# KiCad board FrontEnd_5G.kicad_pcb (continued)
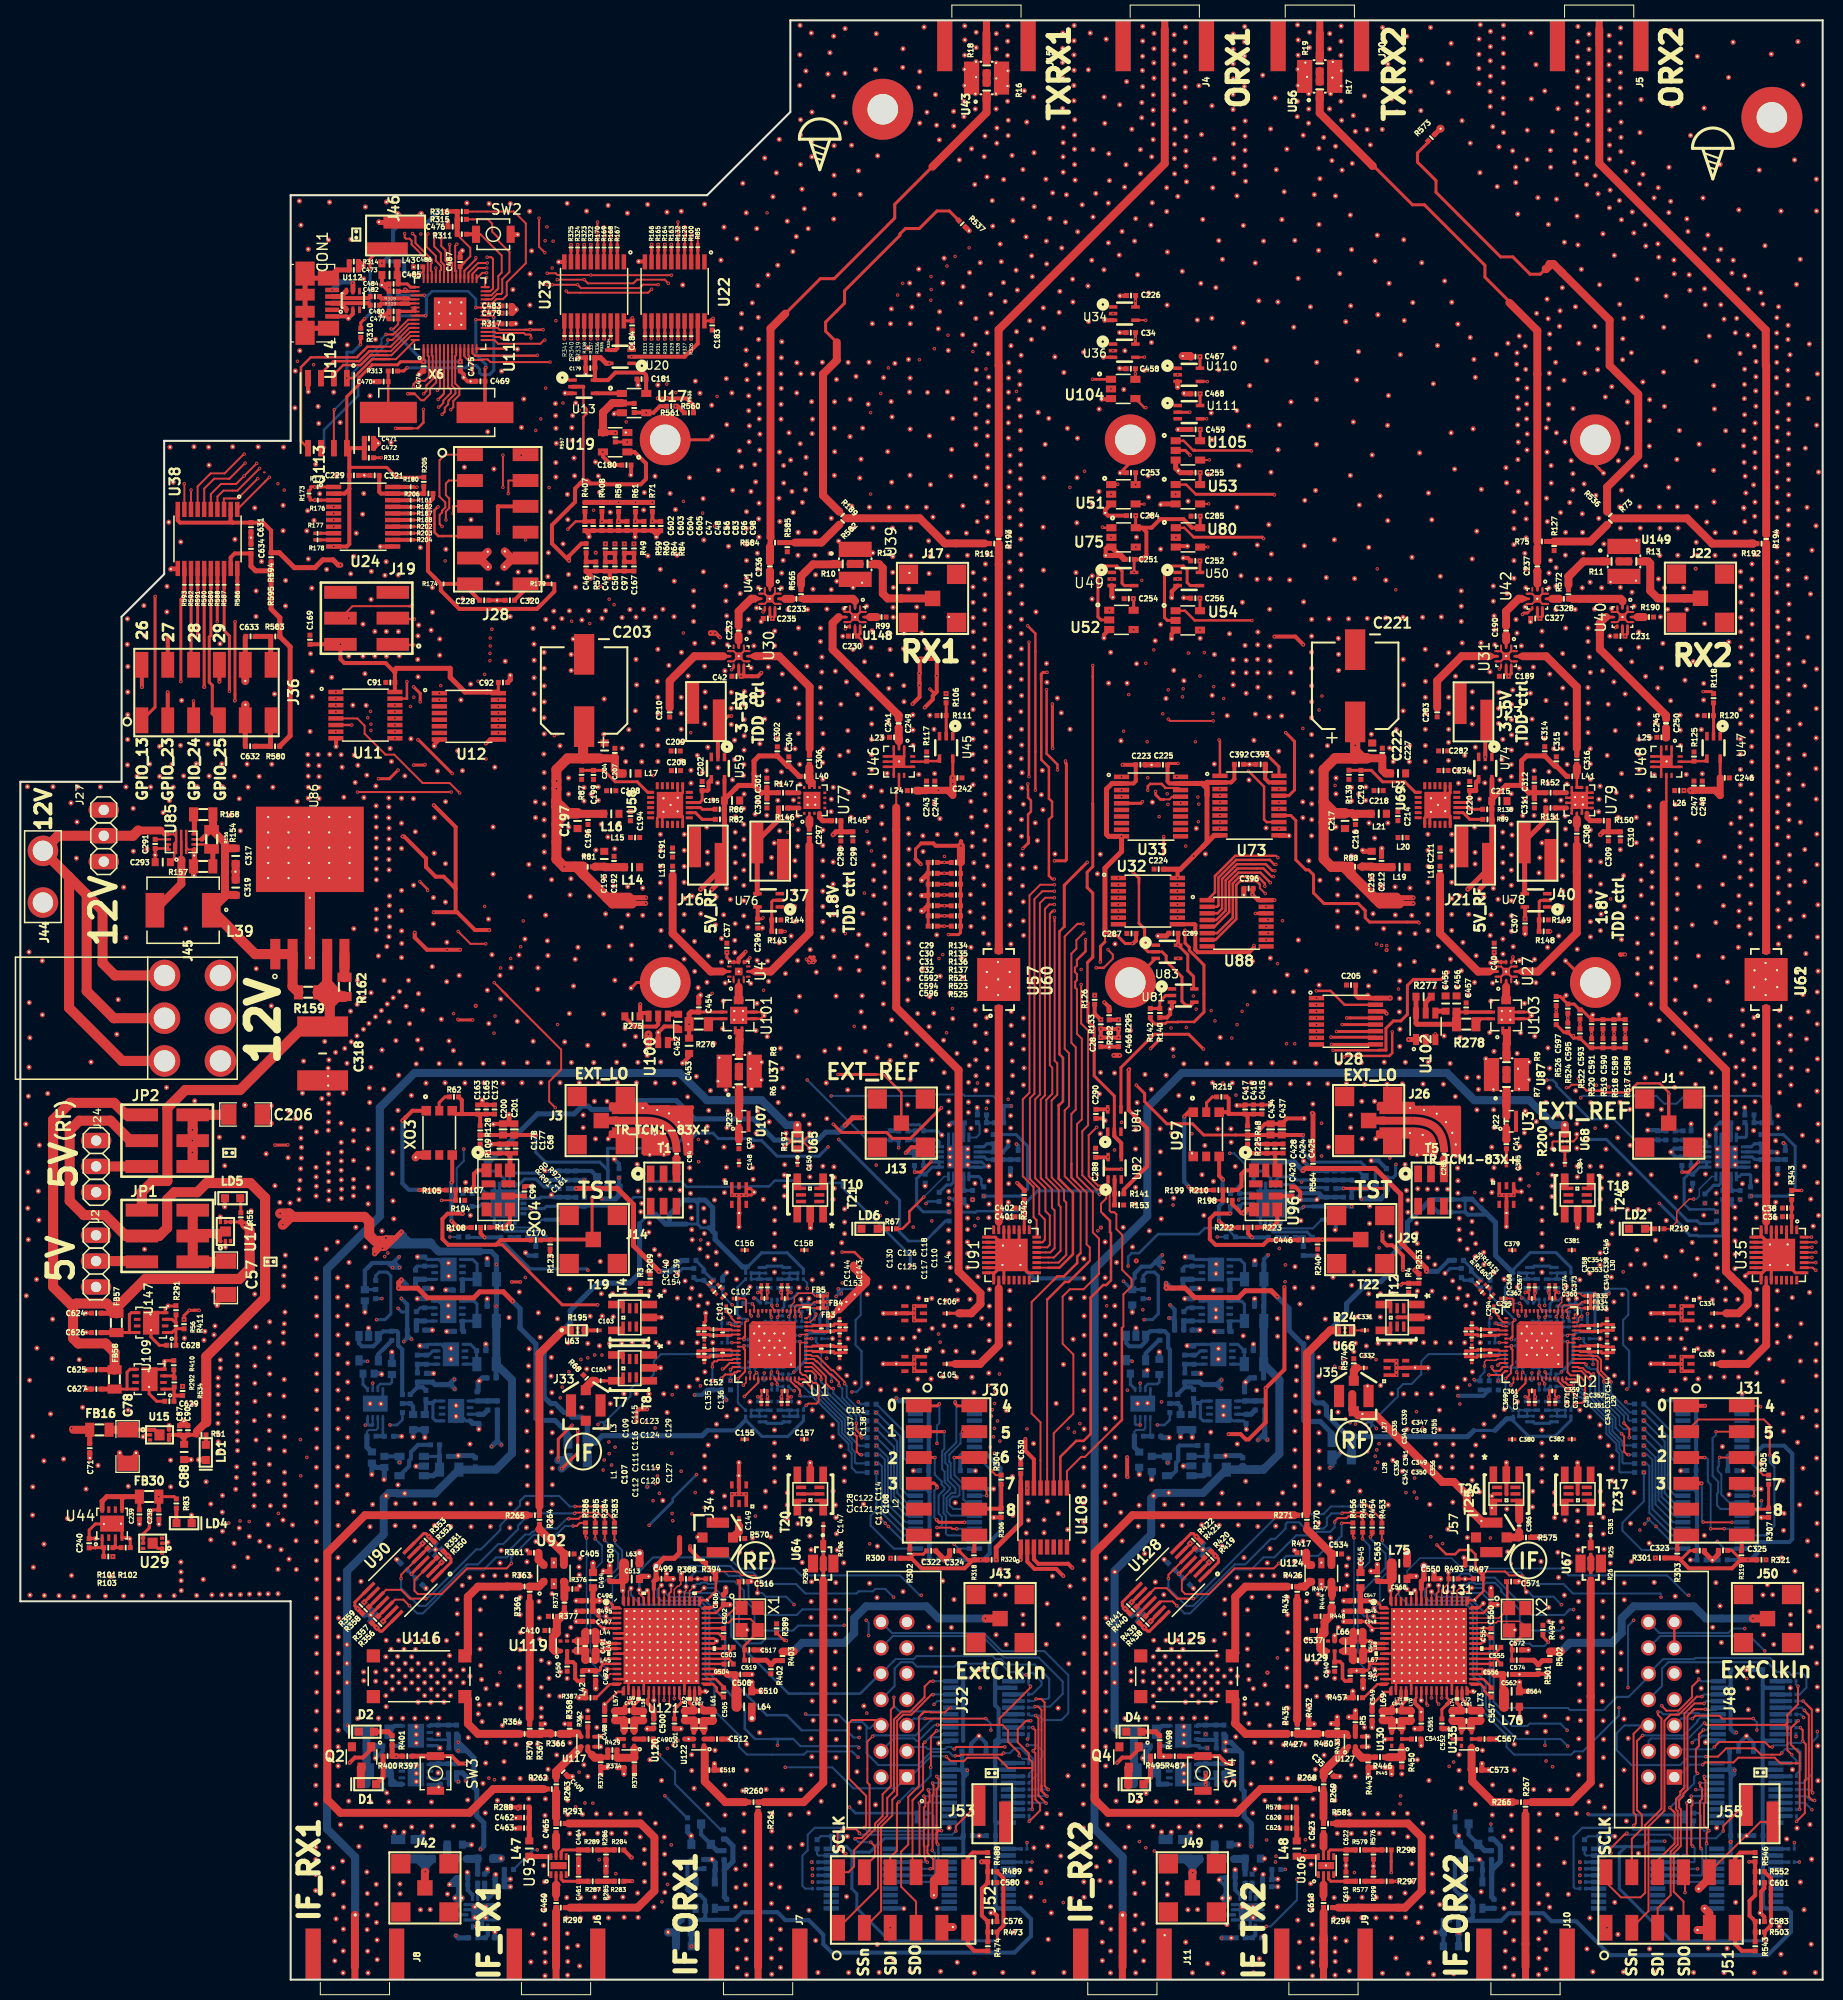
[diagram p0: board, top side]
## Placement (name value [footprint] x y rotation side) (continued)
R74  51R_0402  [SMD0402]  97.33 80.15 90 bottom
R75  0R_0402_NF  [SMD0402]  149.57 141.36 180 top
R76  47R_0402  [SMD0402]  93.61 77.12 270 bottom
R77  47R_0402  [SMD0402]  91.92 77.12 270 bottom
R78  47R_0402  [SMD0402]  90.33 76.94 270 bottom
R79  51R_0402  [SMD0402]  94.53 85 180 bottom
R80  0R_0402_NF  [SMD0402]  43.55 73 180 bottom
R81  27R_0402_ERJ2RKD27R0X  [SMD0402]  55.77 109.38 180 top
R82  1.2K_0402_AC0402JR-071K2L  [SMD0402]  68.77 114.05 0 top
R83  680R_0402  [SMD0402]  15.34 46.81 270 top
R84  20K_0402_CRCW040220K0FKEDC  [SMD0402]  60.32 140.67 90 top
R85  0R_0402  [SMD0201]  66.59 170.28 90 top
R86  390R_0402_RC0402JR-07390RL  [SMD0402]  68.75 115.04 0 top
R87  0RNF_0402  [SMD0402]  55.17 118.42 90 top
R88  27R_0402_ERJ2RKD27R0X  [SMD0402]  131.21 109.39 180 top
R89  1.2K_0402_AC0402JR-071K2L  [SMD0402]  144.22 114.05 0 top
R90  0R_0201_NF  [SMD0201]  67.85 68.5 45 top
R91  0R_0201  [SMD0201]  68.23 67.58 135 top
R92  0R_0201  [SMD0201]  68.76 68.12 135 top
R93  0R_0805  [SMD0805]  54.77 52.88 180 bottom
R94  0R_0201_NF  [SMD0201]  71.57 68.85 180 bottom
R95  0R_0201_NF  [SMD0201]  71.57 55.97 180 bottom
R96  0R_0201_NF  [SMD0201]  76.7 55.97 0 bottom
R97  0R_0201_NF  [SMD0201]  76.7 68.86 0 bottom
R98  0R_0805  [SMD0805]  54.79 51.06 180 bottom
R99  49.9R_0402_ERJ-U02F49R9X  [SMD0402]  84.66 133.93 180 top
R100  0R_0402  [SMD0201]  65.95 170.28 90 top
R101  110K_0402  [SMD0402]  8.65 42.47 0 top
R102  40K_0402_ERJ-U02F4022X  [SMD0402]  10.35 42.47 180 top
R103  0R_0402  [SMD0402]  8.65 41.59 0 top
R104  0R_0402_NF  [SMD0402]  43.23 76.6 180 top
R105  0R_0402_NF  [SMD0402]  42.33 77.61 180 top
R106  10K_0402  [SMD0402]  91 125.96 270 top
R107  0R_0402  [SMD0402]  43.23 77.61 0 top
R108  0R_0402_NF  [SMD0402]  44.79 73.93 0 top
R109  0R_0402  [SMD0402]  45.2 82.57 90 top
R110  0R_0402  [SMD0402]  45.69 73.94 180 top
R111  10K_0402  [SMD0402]  90.56 124.25 0 top
R112  33R2_0402  [SMD0402]  49.43 72.95 180 bottom
R113  49R9_0402  [SMD0402]  50.68 71.62 270 bottom
R114  4K99_0402_NF  [SMD0402]  53.42 74.7 0 bottom
R115  0R_0402  [SMD0402]  55.43 76.45 90 bottom
R116  0R_0402  [SMD0402]  55.44 78.14 270 bottom
R117  3.92K_0402_CRCW04023K92FKEDC  [SMD0402]  89.09 120.22 270 top
R118  10K_0402  [SMD0402]  166.44 125.96 270 top
R119  39R_0402  [SMD0402]  43.96 76 180 bottom
R120  10K_0402  [SMD0402]  166 124.25 0 top
R121  39R_0402  [SMD0402]  43.97 77.29 0 bottom
R122  39R_0402  [SMD0402]  53.42 77.76 180 bottom
R123  49R9_0402_NF  [SMD0402]  52.08 72.26 270 top
R124  49R9_0402  [SMD0402]  68.57 68.75 0 bottom
R125  3.92K_0402_CRCW04023K92FKEDC  [SMD0402]  164.53 120.22 270 top
R126  0R_0402  [SMD0402]  105.61 96.31 90 top
R127  0R_0402_NF  [SMD0402]  150.77 140.91 90 top
R128  0R_0402  [SMD0402]  45.2 83.47 90 top
R129  0R_0402  [SMD0201]  65.3 170.28 90 top
R130  0R_0201  [SMD0201]  145.66 61.49 180 bottom
R131  10K_0402  [SMD0402]  146.57 66.93 90 bottom
R132  0R_0402  [SMD0201]  64.65 170.28 90 top
R133  10K_0402  [SMD0402]  106.21 93.9 270 top
R134  10K_0402  [SMD0402]  91.97 109.81 0 top
R135  10K_0402  [SMD0402]  91.97 108.74 0 top
R136  10K_0402  [SMD0402]  91.97 107.67 0 top
R137  10K_0402  [SMD0402]  91.97 106.61 0 top
R138  390R_0402_RC0402JR-07390RL  [SMD0402]  144.19 115.03 0 top
R139  0RNF_0402  [SMD0402]  130.61 118.43 90 top
R140  10K_0402  [SMD0402]  111.08 95.01 90 top
R141  10K_0402  [SMD0402]  108.02 77.24 180 top
R142  10K_0402  [SMD0402]  112.01 95.01 90 top
R143  20K_0402_CRCW040220K0FKEDC  [SMD0402]  74.31 103.04 0 top
R144  10K_0402  [SMD0402]  74.31 104.16 180 top
R145  8.2_0402_CRCW04028R20FKED  [SMD0402]  80.21 113.91 180 top
R146  0R_0402_RC0402JR-070RL  [SMD0402]  74.97 115.16 180 top
R147  51_0402_CRCW040251R0FKEDC  [SMD0402]  74.98 116.66 180 top
R148  20K_0402_CRCW040220K0FKEDC  [SMD0402]  149.75 103.03 0 top
R149  10K_0402  [SMD0402]  149.75 104.17 180 top
R150  8.2_0402_CRCW04028R20FKED  [SMD0402]  155.66 113.92 180 top
R151  0R_0402_RC0402JR-070RL  [SMD0402]  150.42 115.17 180 top
R152  51_0402_CRCW040251R0FKEDC  [SMD0402]  150.43 116.67 180 top
R153  10K_0402  [SMD0402]  108.01 76.14 180 top
R154  976K_0805_ERJ-6ENF9763V  [SMD0805]  18.8 112.09 90 top
R155  0R_0201_NF  [SMD0201]  143.29 68.5 45 top
R156  NF_619K_0805_ERJ-6ENF6193V  [SMD0805]  18.8 112.09 90 top
R157  100k_0805  [SMD0805]  17.97 109.43 0 top
R158  100k_0805  [SMD0805]  17.98 114.53 0 top
R159  NF_0R_0805_RC0805FR-130RL  [SMD0805]  28.29 97.04 180 top
R160  0R_0201  [SMD0201]  143.68 67.58 135 top
R161  0R_0201  [SMD0201]  144.21 68.12 135 top
R162  100k_0805  [SMD0805]  31.86 97.58 270 top
R163  0R_0402  [SMD0201]  64 170.28 90 top
R164  0R_0402  [SMD0201]  63.35 170.28 90 top
R165  0R_0402  [SMD0201]  62.7 170.28 90 top
R166  0R_0402  [SMD0201]  62.05 170.28 90 top
R167  0R_0402  [SMD0201]  58.68 170.25 90 top
R168  0R_0402  [SMD0201]  58.03 170.25 90 top
R169  0R_0402  [SMD0201]  57.38 170.25 90 top
R170  0R_0402  [SMD0201]  56.73 170.25 90 top
R171  0R_0402  [SMD0402]  142.64 69.2 90 bottom
R172  49R9_0402  [SMD0402]  144.02 68.75 0 bottom
R173  0R_0201_NF  [SMD0201]  28.37 146.07 90 top
R174  0R_0402  [SMD0201]  41.61 137.19 180 top
R175  0R_0402  [SMD0201]  29.23 146.72 0 top
R176  0R_0402  [SMD0201]  29.24 145.42 0 top
R177  NF_0R_0402_RCS04020000Z0ED  [SMD0201]  29.21 142.16 0 top
R178  NF_0R_0402_RCS04020000Z0ED  [SMD0201]  29.21 141.52 0 top
R179  0R_0402  [SMD0201]  52.22 137.19 180 top
R180  0R_0402  [SMD0201]  38.37 146.72 0 top
R181  0R_0402  [SMD0201]  38.37 145.41 0 top
R182  0R_0402  [SMD0201]  38.38 144.76 0 top
R183  0R_0201_NF  [SMD0201]  147.01 68.85 180 bottom
R184  0R_0201_NF  [SMD0201]  147.02 55.97 180 bottom
R185  0R_0201_NF  [SMD0201]  152.15 55.97 0 bottom
R186  0R_0201_NF  [SMD0201]  152.15 68.86 0 bottom
R187  0R_0402  [SMD0201]  38.38 144.12 0 top
R188  0R_0402  [SMD0201]  38.38 143.47 0 top
R189  0R_0402_NF  [SMD0402]  80.83 143.96 135 top
R190  49.9R_0402_ERJ-U02F49R9X  [SMD0402]  160.1 133.93 180 top
R191  0RNF_0402  [SMD0402]  95.73 141.15 180 top
R192  0RNF_0402  [SMD0402]  171.16 141.15 180 top
R193  0R_0402  [SMD0402]  96.18 141.6 270 top
R194  0R_0402  [SMD0402]  171.62 141.6 270 top
R195  NF_0R_0603_RCS06030000Z0EA  [SMD0603#2]  54.78 63.8 180 top
R196  0R_0201_NF  [SMD0201]  78.93 42.08 90 top
R197  NF_0R_0603_RCS06030000Z0EA  [SMD0603#2]  76.39 82.39 270 top
R198  0R_0402_NF  [SMD0402]  118.67 76.6 180 top
R199  0R_0402_NF  [SMD0402]  117.77 77.61 180 top
R200  NF_0R_0603_RCS06030000Z0EA  [SMD0603#2]  151.83 82.39 270 top
R201  0R_0402  [SMD0402]  91.3 75.02 90 bottom
R202  0R_0402  [SMD0201]  38.38 142.82 0 top
R203  0R_0402  [SMD0201]  38.38 142.17 0 top
R204  0R_0402  [SMD0201]  38.38 141.52 0 top
R205  0RNF_0402  [SMD0402]  39.66 147.22 270 top
R206  0R_0402  [SMD0402]  40.11 146.07 180 top
R207  10K_0402  [SMD0402]  68.91 58.42 270 bottom
R208  10K_0402  [SMD0402]  69.81 58.43 90 bottom
R209  10K_0402  [SMD0402]  61.91 68.9 90 top
R210  0R_0402_NF  [SMD0402]  118.67 77.61 0 top
R211  10K_0402  [SMD0402]  68.03 58.42 270 bottom
R212  330R_0402  [SMD0402]  83.67 56.56 180 bottom
R213  330R_0402  [SMD0402]  83.67 55.74 180 bottom
R214  330R_0402  [SMD0402]  83.67 54.92 180 bottom
R215  0R_0402_NF  [SMD0402]  118.06 86.77 180 top
R216  0R_0402_NF  [SMD0402]  162.21 82.53 180 bottom
R217  NF_5K1_0402  [SMD0402]  162.23 83.42 180 bottom
R218  NF_10R_0402  [SMD0402]  163.78 80.02 0 bottom
R219  NF_470R_0402  [SMD0402]  161.12 73.8 180 top
R220  NF_1k_0402  [SMD0402]  170.07 77.47 90 bottom
R221  NF_10K_0402  [SMD0402]  163.78 81.69 0 bottom
R222  0R_0402_NF  [SMD0402]  120.23 73.93 0 top
R223  0R_0402_NF  [SMD0402]  121.13 73.94 180 top
R224  0R_0402_NF  [SMD0402]  166.74 75.02 270 bottom
R225  0R_0402_NF  [SMD0402]  120.64 82.57 270 top
R226  NF_33R2_0402  [SMD0402]  124.87 72.95 180 bottom
R227  NF_51R_0402  [SMD0402]  172.75 80.16 90 bottom
R228  0R_0402_NF  [SMD0402]  118.99 73 180 bottom
R229  NF_47R_0402  [SMD0402]  169.05 77.12 90 bottom
R230  NF_47R_0402  [SMD0402]  167.36 77.12 90 bottom
R231  NF_47R_0402  [SMD0402]  165.6 76.77 90 bottom
R232  NF_51R_0402  [SMD0402]  169.97 85 180 bottom
R233  4K99_0402_NF  [SMD0402]  126.12 71.62 270 bottom
R234  4K99_0402_NF  [SMD0402]  128.86 74.7 0 bottom
R235  0R_0402_NF  [SMD0402]  130.88 78.14 270 bottom
R236  0R_0402_NF  [SMD0402]  130.87 76.45 90 bottom
R237  NF_39R_0402  [SMD0402]  119.4 76 180 bottom
R238  NF_39R_0402  [SMD0402]  119.41 77.29 0 bottom
R239  NF_39R_0402  [SMD0402]  128.86 77.76 180 bottom
R240  49R9_0402_NF  [SMD0402]  127.52 72.26 270 top
R241  110K_0402  [SMD0402]  114.46 60.94 90 bottom
R242  34K8_0402  [SMD0402]  115.35 61.84 90 bottom
R243  44K2_0402  [SMD0402]  114.37 65.21 90 bottom
R244  330R_0402  [SMD0402]  83.69 54.09 180 bottom
R245  330R_0402  [SMD0402]  83.69 53.27 180 bottom
R246  34K8_0402  [SMD0402]  115.19 66.49 90 bottom
R247  330R_0402  [SMD0402]  83.7 52.48 180 bottom
R248  330R_0402  [SMD0402]  83.7 51.6 180 bottom
R249  330R_0402  [SMD0402]  83.7 50.74 180 bottom
R250  330R_0402  [SMD0402]  83.7 49.86 180 bottom
R251  10K_0402  [SMD0402]  144.39 58.41 270 bottom
R252  10K_0402  [SMD0402]  145.29 58.41 90 bottom
R253  10K_0402  [SMD0402]  137.49 68.9 90 top
R254  23K2_0402  [SMD0402]  114.29 69.29 90 bottom
R255  10K_0402  [SMD0402]  143.51 58.41 270 bottom
R256  330R_0402  [SMD0402]  159.14 56.58 180 bottom
R257  330R_0402  [SMD0402]  159.14 55.76 180 bottom
R258  330R_0402  [SMD0402]  159.14 54.94 180 bottom
R259  34K8_0402  [SMD0402]  115.19 70.58 90 bottom
R260  0R_0402  [SMD0402]  72.07 17.45 180 top
R261  0R_0402_NF  [SMD0402]  72.52 17 90 top
R262  0R_0402_NF  [SMD0402]  52.24 18.74 180 top
R263  0R_0402  [SMD0402]  52.69 19.19 270 top
R264  0R_0402  [SMD0402]  51.03 45.2 270 top
R265  0R_0402_NF  [SMD0402]  50.58 45.65 180 top
R266  0R_0402  [SMD0402]  147.51 17.45 180 top
R267  0R_0402_NF  [SMD0402]  147.96 17 90 top
R268  0R_0402_NF  [SMD0402]  127.68 18.74 180 top
R269  0R_0402  [SMD0402]  128.13 19.19 270 top
R270  0R_0402  [SMD0402]  126.47 45.2 270 top
R271  0R_0402_NF  [SMD0402]  126.02 45.65 180 top
R272  330R_0402  [SMD0402]  159.15 54.11 180 bottom
R273  330R_0402  [SMD0402]  159.15 53.29 180 bottom
R274  330R_0402  [SMD0402]  159.14 52.48 180 bottom
R275  330R_0603_CRGCQ0603J330R  [SMD0603#2]  60.17 94.68 0 top
R276  6.81R_0805_CRCW08056R81FNEA  [SMD0805]  66.69 93.91 180 top
R277  330R_0603_CRGCQ0603J330R  [SMD0603#2]  137.94 96.62 180 top
R278  6.81R_0805_CRCW08056R81FNEA  [SMD0805]  142.14 93.91 180 top
R279  330R_0402  [SMD0402]  159.14 51.6 180 bottom
R280  330R_0402  [SMD0402]  159.14 50.74 180 bottom
R281  330R_0402  [SMD0402]  159.14 49.86 180 bottom
R282  0R_0402  [SMD0402]  107.03 94.79 90 top
R283  10K_0402  [SMD0402]  58.87 9.67 0 top
R284  10K_0402  [SMD0402]  58.87 12.75 0 top
R285  10K_0402  [SMD0402]  57.57 10.12 90 top
R286  10K_0402  [SMD0402]  57.57 12.3 270 top
R287  0R_0402  [SMD0402]  56.26 9.67 180 top
R288  0R_0402  [SMD0402]  49.53 16.95 0 top
R289  0R_0402  [SMD0402]  56.26 12.75 180 top
R290  0R_0402_NF  [SMD0402]  53.12 7.08 0 top
R291  34K8_0402  [SMD0402]  15.3 65.8 90 top
R292  44K2_0402  [SMD0402]  15.13 58.7 90 top
R293  0R_0402_NF  [SMD0402]  53.11 15.35 0 top
R294  0R_0402_NF  [SMD0402]  128.55 7.08 0 top
R295  10K_0402  [SMD0402]  107.95 93.9 270 top
R296  0R_0201_NF  [SMD0201]  78.93 39.73 90 top
R297  10K_0402  [SMD0402]  134.31 9.67 0 top
R298  10K_0402  [SMD0402]  134.31 12.75 0 top
R299  10K_0402  [SMD0402]  133.01 10.12 90 top
R300  NF_0R_0402_RCS04020000Z0ED  [SMD0402]  86.01 41.42 180 top
R301  NF_0R_0402_RCS04020000Z0ED  [SMD0402]  161.17 41.45 180 top
R302  0R_0402  [SMD0402]  87.43 41.87 270 top
R303  0R_0402  [SMD0402]  162.87 41.87 270 top
R304  0R_0402_NF  [SMD0402]  96.42 49.14 90 top
R305  0R_0402_NF  [SMD0402]  171.86 49.14 90 top
R306  0R_0402  [SMD0402]  96.42 45.89 270 top
R307  0R_0402  [SMD0402]  171.86 45.89 270 top
R308  27R_0402_ERJ2RKD27R0X  [SMD0402]  34.85 165.43 0 top
R309  27R_0402_ERJ2RKD27R0X  [SMD0402]  34.85 164.58 0 top
R310  1K_0402_CRGP0402F1K0  [SMD0402]  33.46 161.87 90 top
R311  1K_0402_CRGP0402F1K0  [SMD0402]  43.4 171.56 0 top
R312  5K1_0402  [SMD0402]  34.26 149.59 0 top
R313  1K_0402_CRGP0402F1K0  [SMD0402]  36.62 158.12 180 top
R314  1M_0402_RC0402FR-071ML  [SMD0402]  32.78 168.86 0 top
R315  10K_0402_Yageo  [SMD0402]  43.4 173.03 180 top
R316  10K_0402_Yageo  [SMD0402]  43.4 173.79 180 top
R317  0R_0402_RC0402JR-070RL  [SMD0402]  47.8 162.75 180 top
R318  0R_0402  [SMD0402]  93.74 41.71 270 top
R319  0R_0402  [SMD0402]  169.18 41.71 270 top
R320  NF_0R_0402_RCS04020000Z0ED  [SMD0402]  95.48 41.27 0 top
R321  NF_0R_0402_RCS04020000Z0ED  [SMD0402]  171.15 41.27 0 top
R322  0R_0402  [SMD0201]  56.08 170.25 90 top
R323  0R_0402  [SMD0201]  55.43 170.25 90 top
R324  0R_0402  [SMD0201]  54.78 170.25 90 top
R325  0R_0402  [SMD0201]  54.13 170.25 90 top
R326  0R_0402  [SMD0201]  65.94 161.54 90 top
R327  0R_0402  [SMD0201]  65.3 161.54 90 top
R328  0R_0402  [SMD0201]  64.65 161.54 90 top
R329  0R_0402  [SMD0201]  64 161.54 90 top
R330  0R_0402  [SMD0201]  63.35 161.54 90 top
R331  0R_0402  [SMD0201]  62.7 161.54 90 top
R332  0R_0402  [SMD0201]  62.05 161.54 90 top
R333  0R_0402  [SMD0201]  61.4 161.54 90 top
R334  0R_0402  [SMD0201]  58.03 161.56 90 top
R335  0R_0402  [SMD0201]  57.38 161.56 90 top
R336  0R_0402  [SMD0201]  56.73 161.56 90 top
R337  0R_0402  [SMD0201]  56.08 161.56 90 top
R338  0R_0402  [SMD0201]  55.43 161.56 90 top
R339  0R_0402  [SMD0201]  54.78 161.56 90 top
R340  0R_0402  [SMD0201]  54.13 161.56 90 top
R341  0R_0402  [SMD0201]  53.48 161.56 90 top
R342  0R_0402  [SMD0402]  98.68 77.12 270 top
R343  0R_0402  [SMD0402]  174.12 77.12 270 top
R344  34K8_0402  [SMD0402]  117.17 19.22 180 bottom
R345  44K2_0402  [SMD0402]  117.52 24.57 270 bottom
R346  34K8_0402  [SMD0402]  117.12 22.77 180 bottom
R347  0R_0402  [SMD0402]  118.32 20.77 270 bottom
R348  0R_0402  [SMD0402]  118.32 24.57 270 bottom
R349  NF_10K_0402  [SMD0402]  41.09 41.34 135 bottom
R350  NF_10K_0402  [SMD0402]  41.73 41.33 45 top
R351  NF_10K_0402  [SMD0402]  41.27 41.8 45 top
R352  NF_10K_0402  [SMD0402]  40.36 42.73 45 top
R353  NF_10K_0402  [SMD0402]  39.87 43.2 45 top
R354  NF_10K_0402  [SMD0402]  39.87 42.57 315 bottom
R355  NF_10K_0402  [SMD0402]  35.34 35.54 135 bottom
R356  NF_10K_0402  [SMD0402]  35.35 34.9 225 top
R357  NF_10K_0402  [SMD0402]  34.86 35.39 225 top
R358  NF_10K_0402  [SMD0402]  33.94 36.31 225 top
R359  NF_10K_0402  [SMD0402]  33.48 36.77 225 top
R360  NF_10K_0402  [SMD0402]  34.12 36.77 315 bottom
R361  49.9R_0402_ERJ-U02F49R9X  [SMD0402]  50.49 41.96 0 top
R362  49.9R_0402_ERJ-U02F49R9X  [SMD0402]  55.78 25.3 270 top
R363  0R_0402_RC0402JR-070RL  [SMD0402]  49.56 38.64 0 top
R364  0R_0402_RC0402JR-070RL  [SMD0402]  49.56 24.16 0 top
R365  0R_0402  [SMD0402]  114.47 59.18 270 bottom
R366  0R_0402_RC0402JR-070RL  [SMD0402]  52.61 24.16 180 top
R367  0R_0402_NF  [SMD0402]  51.21 24.66 270 top
R368  0R_0402_NF  [SMD0402]  54 24.66 270 top
R369  0R_0402_NF  [SMD0402]  50.07 38.13 270 top
R370  0R_0402_NF  [SMD0402]  50.07 24.66 90 top
R371  0R_0402_NF  [SMD0402]  69.43 7.45 90 bottom
R372  0R_0402_NF  [SMD0402]  57.05 21.37 90 top
R373  0R_0402_RC0402JR-070RL  [SMD0402]  53.48 37.05 90 top
R374  0R_0402_RC0402JR-070RL  [SMD0402]  58.2 21.87 0 top
R375  NF_10K_0402  [SMD0402]  67.2 11.36 90 bottom
R376  0R_0402_NF  [SMD0402]  54.26 38.4 180 top
R377  0R_0402_NF  [SMD0402]  52.36 35.71 0 top
R378  0R_0402_NF  [SMD0402]  60.36 21.36 90 top
R379  NF_10K_0402  [SMD0402]  66.38 11.35 270 bottom
R380  NF_10K_0402  [SMD0402]  69.17 12.23 270 bottom
R381  NF_10K_0402  [SMD0402]  65.59 15.46 270 bottom
R382  NF_0R_0402_RCS04020000Z0ED  [SMD0402]  69.12 14.27 270 bottom
R383  0R_0402_NF  [SMD0402]  58.4 44.43 90 top
R384  0R_0402_NF  [SMD0402]  57.45 44.43 90 top
R385  0R_0402_NF  [SMD0402]  56.52 44.43 90 top
R386  0R_0402_NF  [SMD0402]  55.55 44.44 90 top
R387  12.4K_0402_ERJ-2RKF1242X  [SMD0402]  56.04 27.71 0 top
R388  10K_0402_Yageo  [SMD0402]  65.43 39.39 0 top
R389  0R_0402_NF  [SMD0402]  74.34 34.53 90 top
R390  NF_120R_0805_Panasonic  [SMD0805]  37.14 12.82 90 bottom
R391  0R_0402_NF  [SMD0402]  48.03 10.83 0 bottom
R392  NF_120R_0805_Panasonic  [SMD0805]  39.06 12.82 90 bottom
R393  NF_249R_0603_CRCW0603249RFKEAHP  [SMD0603#2]  41.22 11.87 0 bottom
R394  0R_0402_NF  [SMD0402]  67.85 39.4 180 top
R395  NF_60R4_0603_Yageo  [SMD0603#2]  42.71 13.28 0 bottom
R396  NF_52R3_0603_Yageo  [SMD0603#2]  45.71 11.9 0 bottom
R397  NF_10K_0402  [SMD0402]  38.04 21.96 180 top
R398  NF_11.4K_0402_RT0402BRE0711K4L  [SMD0402]  44.52 4.11 180 bottom
R399  NF_10K_0402  [SMD0402]  46.14 4.11 180 bottom
R400  510R_0402_RC0402JR-07510RL  [SMD0402]  36.1 21.97 0 top
R401  510R_0402_RC0402JR-07510RL  [SMD0402]  36.55 23.53 270 top
R402  0R_0402_NF  [SMD0402]  73.78 30.51 90 top
R403  0R_0402_NF  [SMD0402]  74.92 31.81 270 top
R404  0R_0402  [SMD0402]  113.92 63.85 180 bottom
R405  0R_0402  [SMD0201]  98.67 12.85 0 bottom
R406  0R_0402  [SMD0201]  98.67 11.55 0 bottom
R407  20K_0402_CRCW040220K0FKEDC  [SMD0402]  55.5 144.75 90 top
R408  20K_0402_CRCW040220K0FKEDC  [SMD0402]  57.17 144.75 90 top
R409  0R_0402  [SMD0402]  113.84 67.94 180 bottom
R410  34K8_0402  [SMD0402]  15.08 60.39 90 top
R411  0R_0402  [SMD0402]  16.09 64.43 90 top
R412  0R_0402  [SMD0402]  113.77 57.08 90 bottom
R413  0R_0402  [SMD0201]  87.78 9.61 0 bottom
R414  0R_0402_NF  [SMD0402]  88.6 16.37 0 bottom
R415  0R_0402  [SMD0402]  88.6 15.6 0 bottom
R416  0R_0402  [SMD0201]  78.14 8.95 180 bottom
R417  49.9R_0402_ERJ-U02F49R9X  [SMD0402]  125.95 41.97 0 top
R418  NF_10K_0402  [SMD0402]  116.53 41.34 135 bottom
R419  NF_10K_0402  [SMD0402]  117.17 41.34 45 top
R420  NF_10K_0402  [SMD0402]  116.71 41.81 45 top
R421  NF_10K_0402  [SMD0402]  115.79 42.73 45 top
R422  NF_10K_0402  [SMD0402]  115.31 43.21 45 top
R423  NF_10K_0402  [SMD0402]  115.31 42.57 315 bottom
R424  0R_0402_NF  [SMD0402]  144.87 7.45 90 bottom
R425  0R_0402  [SMD0402]  38.33 57.08 90 bottom
R426  0R_0402_RC0402JR-070RL  [SMD0402]  125.01 38.63 0 top
R427  0R_0402_RC0402JR-070RL  [SMD0402]  125 24.16 0 top
R428  0R_0402  [SMD0402]  39.86 57.48 90 bottom
R429  NF_0R_0402_RCS04020000Z0ED  [SMD0402]  58.2 22.57 180 top
R430  0R_0402_RC0402JR-070RL  [SMD0402]  128.06 24.16 180 top
R431  NF_10K_0402  [SMD0402]  142.64 11.35 90 bottom
R432  0R_0402_NF  [SMD0402]  126.66 24.66 270 top
R433  0R_0402_NF  [SMD0402]  129.45 24.67 270 top
R434  0R_0402_NF  [SMD0402]  125.52 38.13 270 top
R435  0R_0402_NF  [SMD0402]  125.52 24.67 90 top
R436  NF_10K_0402  [SMD0402]  141.82 11.35 270 bottom
R437  NF_10K_0402  [SMD0402]  110.79 35.54 135 bottom
R438  NF_10K_0402  [SMD0402]  110.79 34.91 225 top
R439  NF_10K_0402  [SMD0402]  110.3 35.39 225 top
R440  NF_10K_0402  [SMD0402]  109.38 36.31 225 top
R441  NF_10K_0402  [SMD0402]  108.92 36.77 225 top
R442  NF_10K_0402  [SMD0402]  109.56 36.77 315 bottom
R443  0R_0402_NF  [SMD0402]  132.5 21.36 90 top
R444  0R_0402_RC0402JR-070RL  [SMD0402]  128.94 37.06 90 top
R445  NF_0R_0402_RCS04020000Z0ED  [SMD0402]  133.65 21.87 180 top
R446  0R_0402_RC0402JR-070RL  [SMD0402]  133.65 21.87 0 top
R447  0R_0402_NF  [SMD0402]  129.71 38.41 180 top
R448  0R_0402_NF  [SMD0402]  127.81 35.71 0 top
R449  NF_10K_0402  [SMD0402]  144.61 12.23 270 bottom
R450  0R_0402_NF  [SMD0402]  135.8 21.36 90 top
R451  NF_10K_0402  [SMD0402]  141.03 15.46 270 bottom
R452  NF_0R_0402_RCS04020000Z0ED  [SMD0402]  144.56 14.27 270 bottom
R453  0R_0402_NF  [SMD0402]  133.84 44.43 90 top
R454  0R_0402_NF  [SMD0402]  132.89 44.43 90 top
R455  0R_0402_NF  [SMD0402]  131.95 44.43 90 top
R456  0R_0402_NF  [SMD0402]  130.99 44.44 90 top
R457  12.4K_0402_ERJ-2RKF1242X  [SMD0402]  131.48 27.71 0 top
R458  NF_120R_0805_Panasonic  [SMD0805]  112.58 12.82 90 bottom
R459  0R_0402_NF  [SMD0402]  123.47 10.83 0 bottom
R460  0R_0402  [SMD0201]  98.86 21.29 0 bottom
R461  0R_0402  [SMD0201]  98.88 19.99 0 bottom
R462  0R_0402  [SMD0201]  98.87 19.34 0 bottom
R463  0R_0402  [SMD0201]  98.88 18.69 0 bottom
R464  0R_0402  [SMD0201]  98.88 18.04 0 bottom
R465  0R_0402  [SMD0201]  98.87 17.39 0 bottom
R466  0R_0402  [SMD0201]  98.87 16.74 0 bottom
R467  0R_0402  [SMD0201]  98.88 16.09 0 bottom
R468  0R_0402  [SMD0201]  87.77 12.21 0 bottom
R469  0R_0402  [SMD0201]  87.77 11.55 0 bottom
R470  0R_0402  [SMD0201]  87.78 10.9 0 bottom
R471  0R_0402  [SMD0201]  87.77 10.24 0 bottom
R472  NF_120R_0805_Panasonic  [SMD0805]  114.51 12.82 90 bottom
R473  NF_0R_0402_RCS04020000Z0ED  [SMD0402]  95.55 4.68 0 top
R474  0R_0402_RC0402JR-070RL  [SMD0402]  95.1 3.28 90 top
R475  0R_0402  [SMD0201]  98.83 29.34 0 bottom
R476  0R_0402  [SMD0201]  98.83 28.04 0 bottom
R477  0R_0402  [SMD0201]  98.83 27.39 0 bottom
R478  0R_0402  [SMD0201]  98.82 26.74 0 bottom
R479  0R_0402  [SMD0201]  98.83 26.09 0 bottom
R480  0R_0402  [SMD0201]  98.83 25.43 0 bottom
R481  0R_0402  [SMD0201]  98.82 24.78 0 bottom
R482  0R_0402  [SMD0201]  98.82 24.14 0 bottom
R483  0R_0402  [SMD0201]  78.14 11.55 180 bottom
R484  0R_0402  [SMD0201]  78.14 10.9 180 bottom
R485  0R_0402  [SMD0201]  78.14 10.25 180 bottom
R486  0R_0402  [SMD0201]  78.14 9.6 180 bottom
R487  NF_10K_0402  [SMD0402]  113.48 21.96 180 top
R488  0R_0402_RC0402JR-070RL  [SMD0402]  95.09 12.04 90 top
R489  NF_0R_0402_RCS04020000Z0ED  [SMD0402]  95.54 10.62 0 top
R490  20K_0402_CRCW040220K0FKEDC  [SMD0402]  78.32 13.31 90 bottom
R491  NF_249R_0603_CRCW0603249RFKEAHP  [SMD0603#2]  116.66 11.87 0 bottom
R492  NF_60R4_0603_Yageo  [SMD0603#2]  118.16 13.28 0 bottom
R493  10K_0402_Yageo  [SMD0402]  140.88 39.4 0 top
R494  0R_0402_NF  [SMD0402]  149.67 34.38 90 top
R495  510R_0402_RC0402JR-07510RL  [SMD0402]  111.54 21.97 0 top
R496  NF_52R3_0603_Yageo  [SMD0603#2]  121.15 11.9 0 bottom
R497  0R_0402_NF  [SMD0402]  143.3 39.4 180 top
R498  510R_0402_RC0402JR-07510RL  [SMD0402]  111.99 23.53 270 top
R499  NF_11.4K_0402_RT0402BRE0711K4L  [SMD0402]  119.96 4.11 180 bottom
R500  NF_10K_0402  [SMD0402]  121.58 4.11 180 bottom
R501  0R_0402_NF  [SMD0402]  149.22 30.51 90 top
R502  0R_0402_NF  [SMD0402]  150.36 31.81 270 top
R503  NF_0R_0402_RCS04020000Z0ED  [SMD0402]  170.99 4.68 0 top
R504  0R_0402  [SMD0201]  174.28 29.34 0 bottom
R505  0R_0402  [SMD0201]  174.28 28.03 0 bottom
R506  0R_0402  [SMD0201]  174.27 27.39 0 bottom
R507  0R_0402  [SMD0201]  174.27 26.74 0 bottom
R508  0R_0402  [SMD0201]  174.27 26.09 0 bottom
R509  0R_0402  [SMD0201]  174.27 25.44 0 bottom
R510  0R_0402  [SMD0201]  174.27 24.78 0 bottom
R511  0R_0402  [SMD0201]  174.27 24.14 0 bottom
R512  0R_0402  [SMD0201]  174.31 21.28 0 bottom
R513  0R_0402  [SMD0201]  174.31 19.99 0 bottom
R514  0R_0402  [SMD0201]  174.31 19.34 0 bottom
R515  0R_0402  [SMD0201]  174.31 18.69 0 bottom
R516  0R_0402  [SMD0201]  174.31 18.03 0 bottom
R517  10K_0402  [SMD0402]  157.76 92.04 270 top
R518  10K_0402  [SMD0402]  156.66 92.04 270 top
R519  10K_0402  [SMD0402]  155.57 92.04 270 top
R520  10K_0402  [SMD0402]  154.46 92.04 270 top
R521  10K_0402  [SMD0402]  91.97 105.55 0 top
R522  10K_0402  [SMD0402]  153.31 93 270 top
R523  10K_0402  [SMD0402]  91.97 104.56 0 top
R524  10K_0402  [SMD0402]  152.12 93.57 270 top
R525  10K_0402  [SMD0402]  91.97 103.55 0 top
R526  10K_0402  [SMD0402]  150.98 94.32 270 top
R527  0R_0402  [SMD0201]  174.31 17.39 0 bottom
R528  0R_0402  [SMD0201]  174.31 16.74 0 bottom
R529  0R_0402  [SMD0201]  174.31 16.09 0 bottom
R530  0R_0402  [SMD0201]  174.11 12.85 0 bottom
R531  0R_0402  [SMD0201]  174.11 11.55 0 bottom
R532  0R_0805  [SMD0805]  129.9 53.05 180 bottom
R533  0R_0805  [SMD0805]  129.89 51.33 180 bottom
R534  0R_0402  [SMD0402]  15.95 57.86 90 top
R535  0R_0402_NF  [SMD0402]  60.34 154.48 90 top
R536  0R_0402_NF  [SMD0402]  156.3 143.96 135 top
R537  49.9R_0402_ERJ-U02F49R9X  [SMD0402]  92.58 172.58 135 top
R538  0R_0402  [SMD0201]  163.22 12.21 0 bottom
R539  0R_0402  [SMD0201]  163.22 11.55 0 bottom
R540  0R_0402  [SMD0201]  163.22 10.9 0 bottom
R541  0R_0402  [SMD0201]  163.22 10.25 0 bottom
R542  0R_0402  [SMD0201]  163.22 9.61 0 bottom
R543  0R_0402_RC0402JR-070RL  [SMD0402]  170.54 3.28 90 top
R544  0R_0402_NF  [SMD0402]  164.04 16.37 0 bottom
R545  0R_0402  [SMD0402]  164.04 15.6 0 bottom
R546  0R_0402_RC0402JR-070RL  [SMD0402]  170.53 12.04 90 top
R547  0R_0402  [SMD0201]  153.58 11.55 180 bottom
R548  0R_0402  [SMD0201]  153.58 10.9 180 bottom
R549  0R_0402  [SMD0201]  153.58 10.25 180 bottom
R550  0R_0402  [SMD0201]  153.58 9.6 180 bottom
R551  0R_0402  [SMD0201]  153.58 8.95 180 bottom
R552  NF_0R_0402_RCS04020000Z0ED  [SMD0402]  170.98 10.62 0 top
R553  20K_0402_CRCW040220K0FKEDC  [SMD0402]  153.77 13.31 90 bottom
R554  NF_39R_0402  [SMD0402]  45.79 79.91 270 bottom
R555  NF_39R_0402  [SMD0402]  121.23 79.91 270 bottom
R556  0R_0402  [SMD0402]  115.33 57.56 90 bottom
R557  0R_0402_NF  [SMD0402]  58.49 151.59 90 top
R558  10K_0402  [SMD0402]  111.67 53.41 0 bottom
R559  4K99_0402  [SMD0402]  109.96 53.42 0 bottom